# Altium PCB Copy of PCB1.PcbDoc (part 1 of 2) (continued)
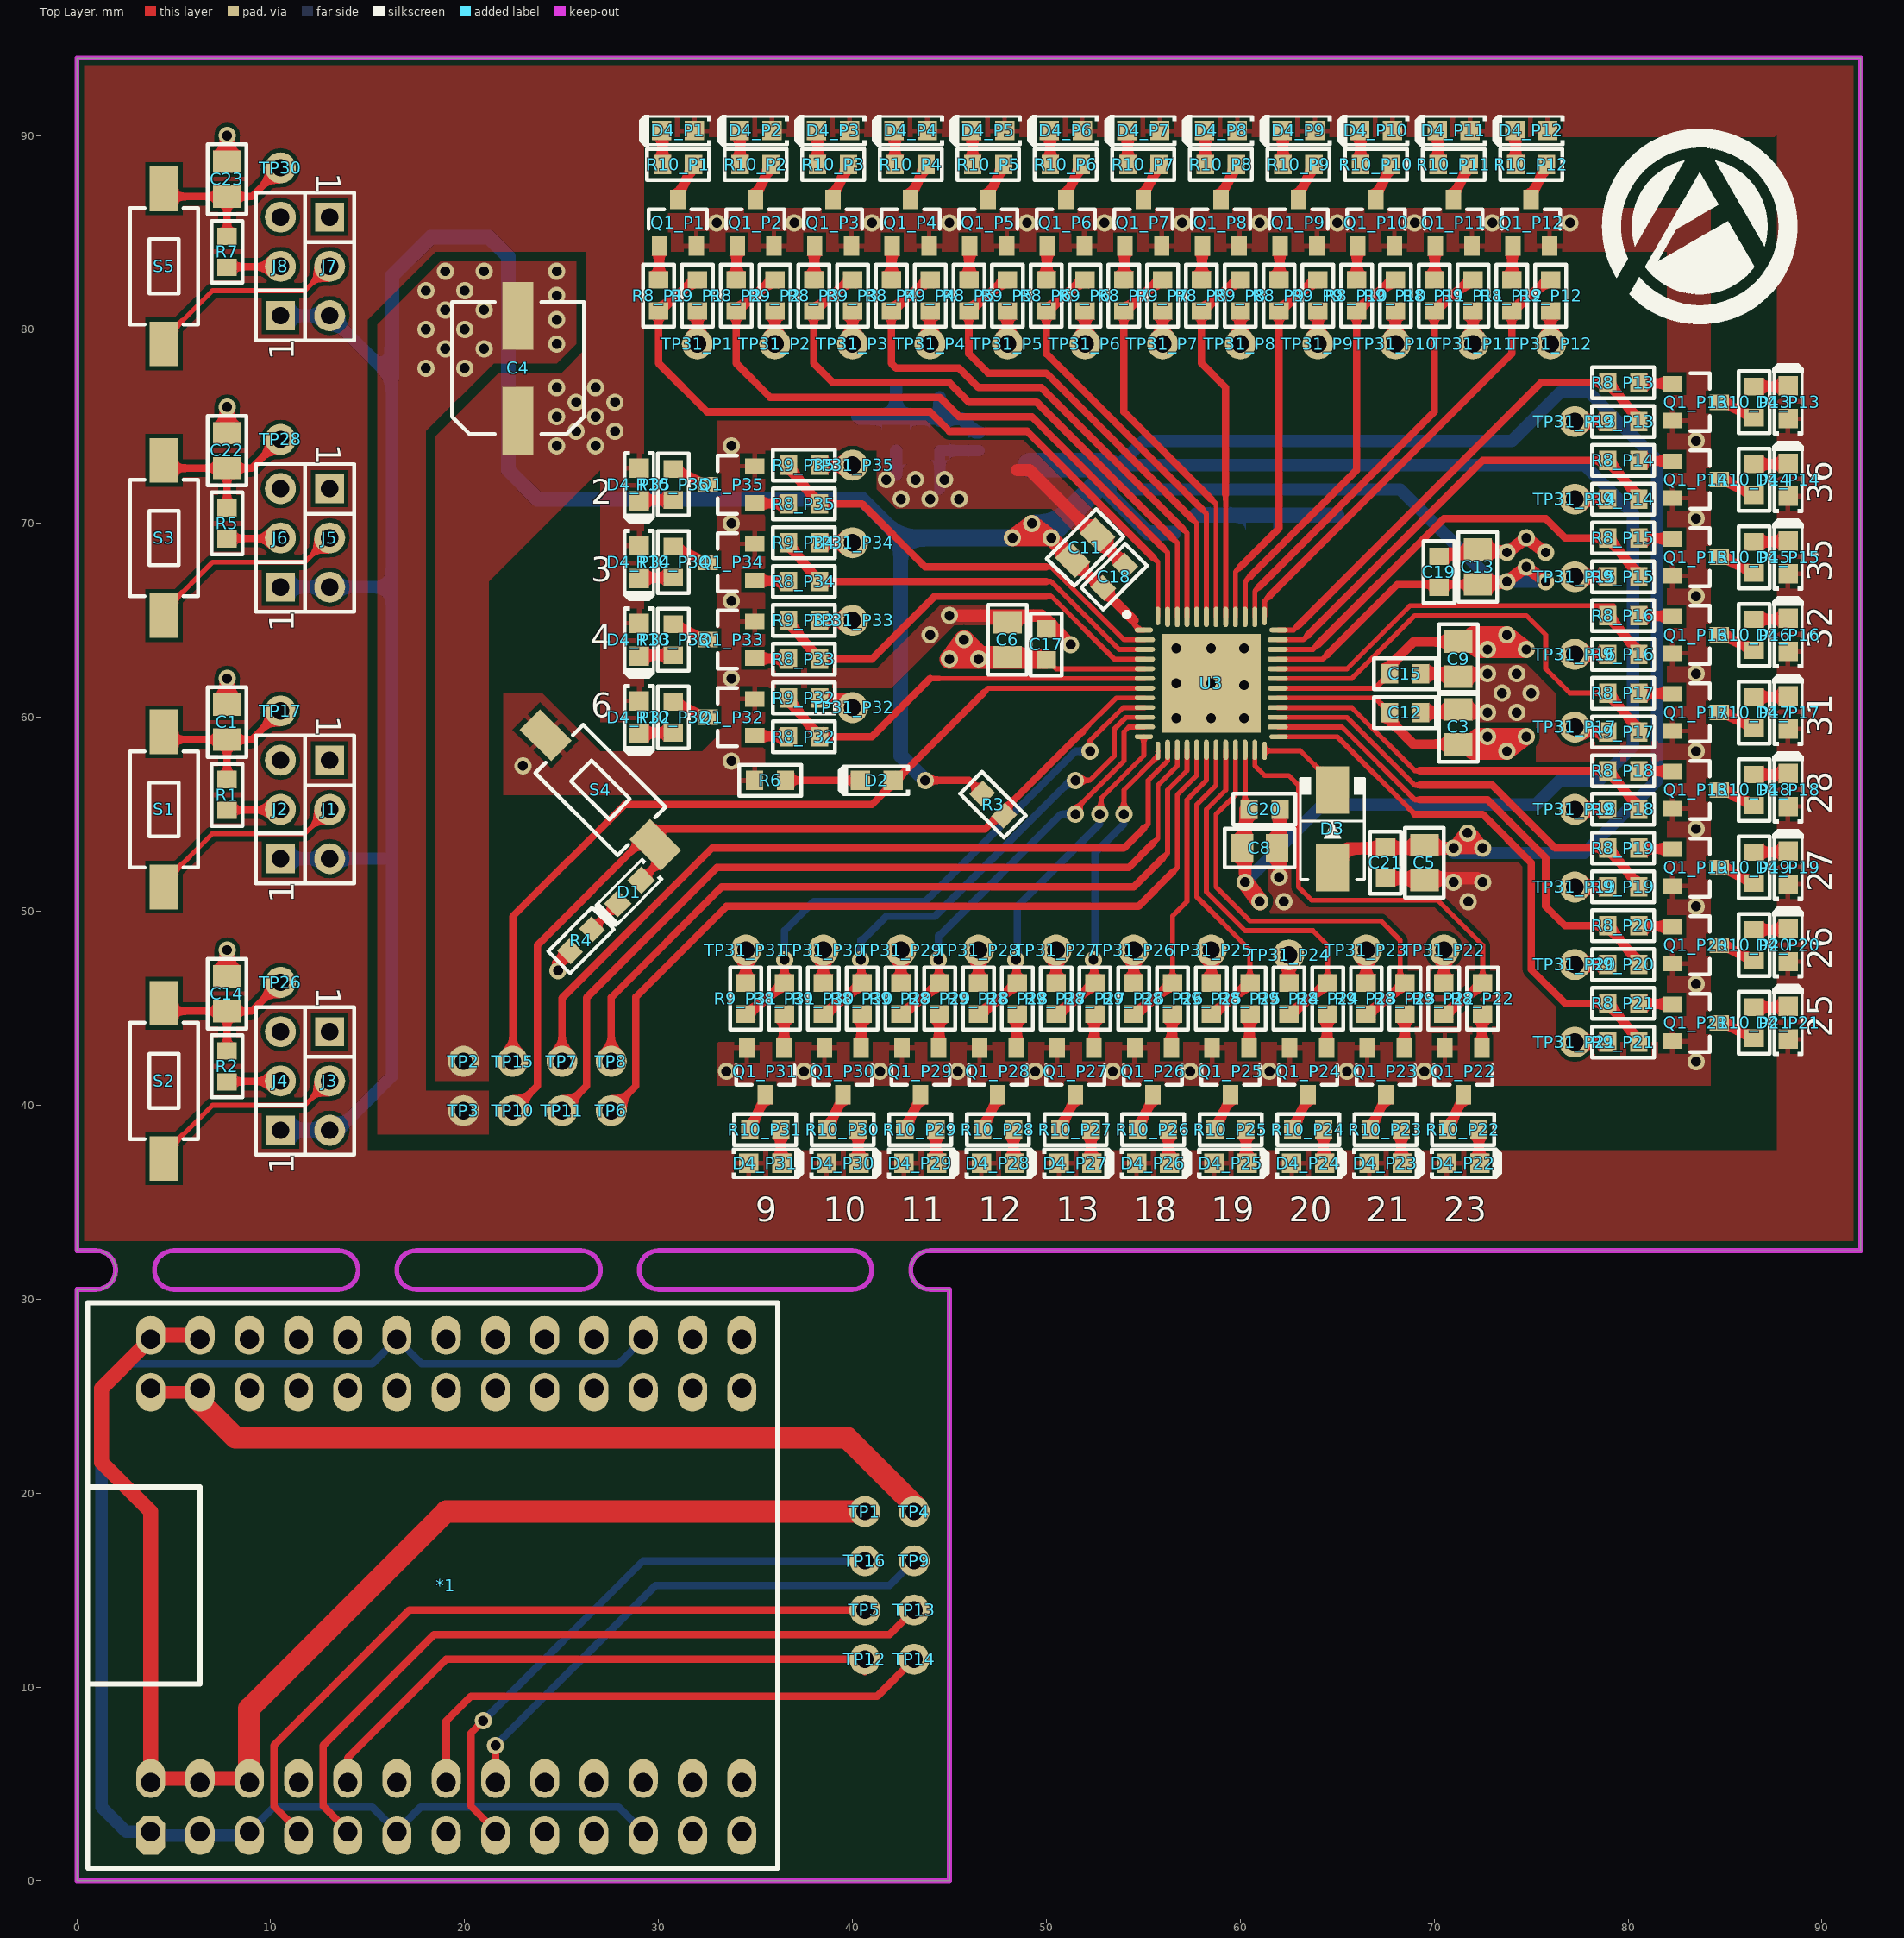
[diagram p0: Top Layer view]
## Components (designator, comment, footprint, x,y, rotation, side; value= is the part's Value field where it differs from the comment)
*1 "FTDI2232H" FTDI2232H 19.05,15.24 r90 top
C1 "1u" "CAP 0805_N" 7.75,59.75 r90 top
C2 "1u" "CAP 0805_N" 51,73.75 r90 bottom
C3 "1u" "CAP 0805_N" 71.25,59.5 r90 top
C4 "100u" "SMD CAP-6.3X7.7MM-A1K2" 22.75,78 r90 top
C5 "1u" "CAP 0805_N" 69.5,52.5 r270 top
C6 "1u" "CAP 0805_N" 48,64 r90 top
C7 "1u" "CAP 0805_N" 42.25,74.5 r270 bottom
C8 "1u" "CAP 0805_N" 61,53.25 r0 top
C9 "1u" "CAP 0805_N" 71.25,63 r270 top
C10 "100n" "CAP 0603_N" 44.5,74.5 r270 bottom
C11 "1u" "CAP 0805_N" 52,68.75 r45 top
C12 "100n" "CAP 0603_N" 68.5,60.25 r0 top
C13 "1u" "CAP 0805_N" 72.25,67.75 r90 top
C14 "1u" "CAP 0805_N" 7.75,45.75 r90 top
C15 "100n" "CAP 0603_N" 68.5,62.25 r0 top
C16 "100n" "CAP 0603_N" 53.25,73.75 r90 bottom
C17 "100n" "CAP 0603_N" 50,63.75 r90 top
C18 "100n" "CAP 0603_N" 53.5,67.25 r45 top
C19 "100n" "CAP 0603_N" 70.25,67.5 r90 top
C20 "100n" "CAP 0603_N" 61.25,55.25 r0 top
C21 "100n" "CAP 0603_N" 67.5,52.5 r270 top
C22 "1u" "CAP 0805_N" 7.75,73.75 r90 top
C23 "1u" "CAP 0805_N" 7.75,87.75 r90 top
C24 "1u" "CAP 0805_N" 61,69.25 r90 bottom
C25 "100n" "CAP 0603_N" 63.25,69 r90 bottom
D1 "=Value" LED-0603-K1A2 28.5,51 r45 top
D2 "=Value" LED-0603-K1A2 41.25,56.75 r0 top
D3 "*" SMA_L-K1A2 64.75,54.25 r270 top
D4_P1 "" LED-0603-K1A2 31,90.25 r0 top (schematic designator D4)
D4_P2 "" LED-0603-K1A2 35,90.25 r0 top (schematic designator D4)
D4_P3 "" LED-0603-K1A2 39,90.25 r0 top (schematic designator D4)
D4_P4 "" LED-0603-K1A2 43,90.25 r0 top (schematic designator D4)
D4_P5 "" LED-0603-K1A2 47,90.25 r0 top (schematic designator D4)
D4_P6 "" LED-0603-K1A2 51,90.25 r0 top (schematic designator D4)
D4_P7 "" LED-0603-K1A2 55,90.25 r0 top (schematic designator D4)
D4_P8 "" LED-0603-K1A2 59,90.25 r0 top (schematic designator D4)
D4_P9 "" LED-0603-K1A2 63,90.25 r0 top (schematic designator D4)
D4_P10 "" LED-0603-K1A2 67,90.25 r0 top (schematic designator D4)
D4_P11 "" LED-0603-K1A2 71,90.25 r0 top (schematic designator D4)
D4_P12 "" LED-0603-K1A2 75,90.25 r0 top (schematic designator D4)
D4_P13 "" LED-0603-K1A2 88.25,76.25 r270 top (schematic designator D4)
D4_P14 "" LED-0603-K1A2 88.25,72.25 r270 top (schematic designator D4)
D4_P15 "" LED-0603-K1A2 88.25,68.25 r270 top (schematic designator D4)
D4_P16 "" LED-0603-K1A2 88.25,64.25 r270 top (schematic designator D4)
D4_P17 "" LED-0603-K1A2 88.25,60.25 r270 top (schematic designator D4)
D4_P18 "" LED-0603-K1A2 88.25,56.25 r270 top (schematic designator D4)
D4_P19 "" LED-0603-K1A2 88.25,52.25 r270 top (schematic designator D4)
D4_P20 "" LED-0603-K1A2 88.25,48.25 r270 top (schematic designator D4)
D4_P21 "" LED-0603-K1A2 88.25,44.25 r270 top (schematic designator D4)
D4_P22 "" LED-0603-K1A2 71.5,37 r180 top (schematic designator D4)
D4_P23 "" LED-0603-K1A2 67.5,37 r180 top (schematic designator D4)
D4_P24 "" LED-0603-K1A2 63.5,37 r180 top (schematic designator D4)
D4_P25 "" LED-0603-K1A2 59.5,37 r180 top (schematic designator D4)
D4_P26 "" LED-0603-K1A2 55.5,37 r180 top (schematic designator D4)
D4_P27 "" LED-0603-K1A2 51.5,37 r180 top (schematic designator D4)
D4_P28 "" LED-0603-K1A2 47.5,37 r180 top (schematic designator D4)
D4_P29 "" LED-0603-K1A2 43.5,37 r180 top (schematic designator D4)
D4_P30 "" LED-0603-K1A2 39.5,37 r180 top (schematic designator D4)
D4_P31 "" LED-0603-K1A2 35.5,37 r180 top (schematic designator D4)
D4_P32 "" LED-0603-K1A2 29,60 r90 top (schematic designator D4)
D4_P33 "" LED-0603-K1A2 29,64 r90 top (schematic designator D4)
D4_P34 "" LED-0603-K1A2 29,68 r90 top (schematic designator D4)
D4_P35 "" LED-0603-K1A2 29,72 r90 top (schematic designator D4)
J1 "=Value" "HDR1X3 VERT" 13.04,57.79 r270 top
J2 "=Value" "HDR1X3 VERT" 10.5,52.71 r90 top
J3 "=Value" "HDR1X3 VERT" 13.04,43.79 r270 top
J4 "=Value" "HDR1X3 VERT" 10.5,38.71 r90 top
J5 "=Value" "HDR1X3 VERT" 13.04,71.79 r270 top
J6 "=Value" "HDR1X3 VERT" 10.5,66.71 r90 top
J7 "=Value" "HDR1X3 VERT" 13.04,85.79 r270 top
J8 "=Value" "HDR1X3 VERT" 10.5,80.71 r90 top
Q1_P1 "2N3904" SOT95P245X110-3N 31,85.5 r90 top (schematic designator Q1)
Q1_P2 "2N3904" SOT95P245X110-3N 35,85.5 r90 top (schematic designator Q1)
Q1_P3 "2N3904" SOT95P245X110-3N 39,85.5 r90 top (schematic designator Q1)
Q1_P4 "2N3904" SOT95P245X110-3N 43,85.5 r90 top (schematic designator Q1)
Q1_P5 "2N3904" SOT95P245X110-3N 47,85.5 r90 top (schematic designator Q1)
Q1_P6 "2N3904" SOT95P245X110-3N 51,85.5 r90 top (schematic designator Q1)
Q1_P7 "2N3904" SOT95P245X110-3N 55,85.5 r90 top (schematic designator Q1)
Q1_P8 "2N3904" SOT95P245X110-3N 59,85.5 r90 top (schematic designator Q1)
Q1_P9 "2N3904" SOT95P245X110-3N 63,85.5 r90 top (schematic designator Q1)
Q1_P10 "2N3904" SOT95P245X110-3N 67,85.5 r90 top (schematic designator Q1)
Q1_P11 "2N3904" SOT95P245X110-3N 71,85.5 r90 top (schematic designator Q1)
Q1_P12 "2N3904" SOT95P245X110-3N 75,85.5 r90 top (schematic designator Q1)
Q1_P13 "2N3904" SOT95P245X110-3N 83.5,76.25 r0 top (schematic designator Q1)
Q1_P14 "2N3904" SOT95P245X110-3N 83.5,72.25 r0 top (schematic designator Q1)
Q1_P15 "2N3904" SOT95P245X110-3N 83.5,68.25 r0 top (schematic designator Q1)
Q1_P16 "2N3904" SOT95P245X110-3N 83.5,64.25 r0 top (schematic designator Q1)
Q1_P17 "2N3904" SOT95P245X110-3N 83.5,60.25 r0 top (schematic designator Q1)
Q1_P18 "2N3904" SOT95P245X110-3N 83.5,56.25 r0 top (schematic designator Q1)
Q1_P19 "2N3904" SOT95P245X110-3N 83.5,52.25 r0 top (schematic designator Q1)
Q1_P20 "2N3904" SOT95P245X110-3N 83.5,48.25 r0 top (schematic designator Q1)
Q1_P21 "2N3904" SOT95P245X110-3N 83.5,44.25 r0 top (schematic designator Q1)
Q1_P22 "2N3904" SOT95P245X110-3N 71.5,41.75 r270 top (schematic designator Q1)
Q1_P23 "2N3904" SOT95P245X110-3N 67.5,41.75 r270 top (schematic designator Q1)
Q1_P24 "2N3904" SOT95P245X110-3N 63.5,41.75 r270 top (schematic designator Q1)
Q1_P25 "2N3904" SOT95P245X110-3N 59.5,41.75 r270 top (schematic designator Q1)
Q1_P26 "2N3904" SOT95P245X110-3N 55.5,41.75 r270 top (schematic designator Q1)
Q1_P27 "2N3904" SOT95P245X110-3N 51.5,41.75 r270 top (schematic designator Q1)
Q1_P28 "2N3904" SOT95P245X110-3N 47.5,41.75 r270 top (schematic designator Q1)
Q1_P29 "2N3904" SOT95P245X110-3N 43.5,41.75 r270 top (schematic designator Q1)
Q1_P30 "2N3904" SOT95P245X110-3N 39.5,41.75 r270 top (schematic designator Q1)
Q1_P31 "2N3904" SOT95P245X110-3N 35.5,41.75 r270 top (schematic designator Q1)
Q1_P32 "2N3904" SOT95P245X110-3N 33.75,60 r180 top (schematic designator Q1)
Q1_P33 "2N3904" SOT95P245X110-3N 33.75,64 r180 top (schematic designator Q1)
Q1_P34 "2N3904" SOT95P245X110-3N 33.75,68 r180 top (schematic designator Q1)
Q1_P35 "2N3904" SOT95P245X110-3N 33.75,72 r180 top (schematic designator Q1)
R1 "Res" "RES 0603_N" 7.75,56 r270 top value=10k
R2 "Res" "RES 0603_N" 7.75,42 r270 top value=10k
R3 "Res" "RES 0603_N" 47.25,55.5 r135 top value=10k
R4 "Res" "RES 0603_N" 26,48.5 r45 top value=1k
R5 "Res" "RES 0603_N" 7.75,70 r270 top value=10k
R6 "Res" "RES 0603_N" 35.75,56.75 r0 top value=1k
R7 "Res" "RES 0603_N" 7.75,84 r270 top value=10k
R8_P1 "Res" "RES 0603_N" 30,81.75 r90 top value=10k (schematic designator R8)
R8_P2 "Res" "RES 0603_N" 34,81.75 r90 top value=10k (schematic designator R8)
R8_P3 "Res" "RES 0603_N" 38,81.75 r90 top value=10k (schematic designator R8)
R8_P4 "Res" "RES 0603_N" 42,81.75 r90 top value=10k (schematic designator R8)
R8_P5 "Res" "RES 0603_N" 46,81.75 r90 top value=10k (schematic designator R8)
R8_P6 "Res" "RES 0603_N" 50,81.75 r90 top value=10k (schematic designator R8)
R8_P7 "Res" "RES 0603_N" 54,81.75 r90 top value=10k (schematic designator R8)
R8_P8 "Res" "RES 0603_N" 58,81.75 r90 top value=10k (schematic designator R8)
R8_P9 "Res" "RES 0603_N" 62,81.75 r90 top value=10k (schematic designator R8)
R8_P10 "Res" "RES 0603_N" 66,81.75 r90 top value=10k (schematic designator R8)
R8_P11 "Res" "RES 0603_N" 70,81.75 r90 top value=10k (schematic designator R8)
R8_P12 "Res" "RES 0603_N" 74,81.75 r90 top value=10k (schematic designator R8)
R8_P13 "Res" "RES 0603_N" 79.75,77.25 r0 top value=10k (schematic designator R8)
R8_P14 "Res" "RES 0603_N" 79.75,73.25 r0 top value=10k (schematic designator R8)
R8_P15 "Res" "RES 0603_N" 79.75,69.25 r0 top value=10k (schematic designator R8)
R8_P16 "Res" "RES 0603_N" 79.75,65.25 r0 top value=10k (schematic designator R8)
R8_P17 "Res" "RES 0603_N" 79.75,61.25 r0 top value=10k (schematic designator R8)
R8_P18 "Res" "RES 0603_N" 79.75,57.25 r0 top value=10k (schematic designator R8)
R8_P19 "Res" "RES 0603_N" 79.75,53.25 r0 top value=10k (schematic designator R8)
R8_P20 "Res" "RES 0603_N" 79.75,49.25 r0 top value=10k (schematic designator R8)
R8_P21 "Res" "RES 0603_N" 79.75,45.25 r0 top value=10k (schematic designator R8)
R8_P22 "Res" "RES 0603_N" 72.5,45.5 r270 top value=10k (schematic designator R8)
R8_P23 "Res" "RES 0603_N" 68.5,45.5 r270 top value=10k (schematic designator R8)
R8_P24 "Res" "RES 0603_N" 64.5,45.5 r270 top value=10k (schematic designator R8)
R8_P25 "Res" "RES 0603_N" 60.5,45.5 r270 top value=10k (schematic designator R8)
R8_P26 "Res" "RES 0603_N" 56.5,45.5 r270 top value=10k (schematic designator R8)
R8_P27 "Res" "RES 0603_N" 52.5,45.5 r270 top value=10k (schematic designator R8)
R8_P28 "Res" "RES 0603_N" 48.5,45.5 r270 top value=10k (schematic designator R8)
R8_P29 "Res" "RES 0603_N" 44.5,45.5 r270 top value=10k (schematic designator R8)
R8_P30 "Res" "RES 0603_N" 40.5,45.5 r270 top value=10k (schematic designator R8)
R8_P31 "Res" "RES 0603_N" 36.5,45.5 r270 top value=10k (schematic designator R8)
R8_P32 "Res" "RES 0603_N" 37.5,59 r180 top value=10k (schematic designator R8)
R8_P33 "Res" "RES 0603_N" 37.5,63 r180 top value=10k (schematic designator R8)
R8_P34 "Res" "RES 0603_N" 37.5,67 r180 top value=10k (schematic designator R8)
R8_P35 "Res" "RES 0603_N" 37.5,71 r180 top value=10k (schematic designator R8)
R9_P1 "Res" "RES 0603_N" 32,81.75 r270 top value=1k (schematic designator R9)
R9_P2 "Res" "RES 0603_N" 36,81.75 r270 top value=1k (schematic designator R9)
R9_P3 "Res" "RES 0603_N" 40,81.75 r270 top value=1k (schematic designator R9)
R9_P4 "Res" "RES 0603_N" 44,81.75 r270 top value=1k (schematic designator R9)
R9_P5 "Res" "RES 0603_N" 48,81.75 r270 top value=1k (schematic designator R9)
R9_P6 "Res" "RES 0603_N" 52,81.75 r270 top value=1k (schematic designator R9)
R9_P7 "Res" "RES 0603_N" 56,81.75 r270 top value=1k (schematic designator R9)
R9_P8 "Res" "RES 0603_N" 60,81.75 r270 top value=1k (schematic designator R9)
R9_P9 "Res" "RES 0603_N" 64,81.75 r270 top value=1k (schematic designator R9)
R9_P10 "Res" "RES 0603_N" 68,81.75 r270 top value=1k (schematic designator R9)
R9_P11 "Res" "RES 0603_N" 72,81.75 r270 top value=1k (schematic designator R9)
R9_P12 "Res" "RES 0603_N" 76,81.75 r270 top value=1k (schematic designator R9)
R9_P13 "Res" "RES 0603_N" 79.75,75.25 r180 top value=1k (schematic designator R9)
R9_P14 "Res" "RES 0603_N" 79.75,71.25 r180 top value=1k (schematic designator R9)
R9_P15 "Res" "RES 0603_N" 79.75,67.25 r180 top value=1k (schematic designator R9)
R9_P16 "Res" "RES 0603_N" 79.75,63.25 r180 top value=1k (schematic designator R9)
R9_P17 "Res" "RES 0603_N" 79.75,59.25 r180 top value=1k (schematic designator R9)
R9_P18 "Res" "RES 0603_N" 79.75,55.25 r180 top value=1k (schematic designator R9)
R9_P19 "Res" "RES 0603_N" 79.75,51.25 r180 top value=1k (schematic designator R9)
R9_P20 "Res" "RES 0603_N" 79.75,47.25 r180 top value=1k (schematic designator R9)
R9_P21 "Res" "RES 0603_N" 79.75,43.25 r180 top value=1k (schematic designator R9)
R9_P22 "Res" "RES 0603_N" 70.5,45.5 r90 top value=1k (schematic designator R9)
R9_P23 "Res" "RES 0603_N" 66.5,45.5 r90 top value=1k (schematic designator R9)
R9_P24 "Res" "RES 0603_N" 62.5,45.5 r90 top value=1k (schematic designator R9)
R9_P25 "Res" "RES 0603_N" 58.5,45.5 r90 top value=1k (schematic designator R9)
R9_P26 "Res" "RES 0603_N" 54.5,45.5 r90 top value=1k (schematic designator R9)
R9_P27 "Res" "RES 0603_N" 50.5,45.5 r90 top value=1k (schematic designator R9)
R9_P28 "Res" "RES 0603_N" 46.5,45.5 r90 top value=1k (schematic designator R9)
R9_P29 "Res" "RES 0603_N" 42.5,45.5 r90 top value=1k (schematic designator R9)
R9_P30 "Res" "RES 0603_N" 38.5,45.5 r90 top value=1k (schematic designator R9)
R9_P31 "Res" "RES 0603_N" 34.5,45.5 r90 top value=1k (schematic designator R9)
R9_P32 "Res" "RES 0603_N" 37.5,61 r0 top value=1k (schematic designator R9)
R9_P33 "Res" "RES 0603_N" 37.5,65 r0 top value=1k (schematic designator R9)
R9_P34 "Res" "RES 0603_N" 37.5,69 r0 top value=1k (schematic designator R9)
R9_P35 "Res" "RES 0603_N" 37.5,73 r0 top value=1k (schematic designator R9)
R10_P1 "Res" "RES 0603_N" 31,88.5 r180 top value=1k (schematic designator R10)
R10_P2 "Res" "RES 0603_N" 35,88.5 r180 top value=1k (schematic designator R10)
R10_P3 "Res" "RES 0603_N" 39,88.5 r180 top value=1k (schematic designator R10)
R10_P4 "Res" "RES 0603_N" 43,88.5 r180 top value=1k (schematic designator R10)
R10_P5 "Res" "RES 0603_N" 47,88.5 r180 top value=1k (schematic designator R10)
R10_P6 "Res" "RES 0603_N" 51,88.5 r180 top value=1k (schematic designator R10)
R10_P7 "Res" "RES 0603_N" 55,88.5 r180 top value=1k (schematic designator R10)
R10_P8 "Res" "RES 0603_N" 59,88.5 r180 top value=1k (schematic designator R10)
R10_P9 "Res" "RES 0603_N" 63,88.5 r180 top value=1k (schematic designator R10)
R10_P10 "Res" "RES 0603_N" 67,88.5 r180 top value=1k (schematic designator R10)
R10_P11 "Res" "RES 0603_N" 71,88.5 r180 top value=1k (schematic designator R10)
R10_P12 "Res" "RES 0603_N" 75,88.5 r180 top value=1k (schematic designator R10)
R10_P13 "Res" "RES 0603_N" 86.5,76.25 r90 top value=1k (schematic designator R10)
R10_P14 "Res" "RES 0603_N" 86.5,72.25 r90 top value=1k (schematic designator R10)
R10_P15 "Res" "RES 0603_N" 86.5,68.25 r90 top value=1k (schematic designator R10)
R10_P16 "Res" "RES 0603_N" 86.5,64.25 r90 top value=1k (schematic designator R10)
R10_P17 "Res" "RES 0603_N" 86.5,60.25 r90 top value=1k (schematic designator R10)
R10_P18 "Res" "RES 0603_N" 86.5,56.25 r90 top value=1k (schematic designator R10)
R10_P19 "Res" "RES 0603_N" 86.5,52.25 r90 top value=1k (schematic designator R10)
R10_P20 "Res" "RES 0603_N" 86.5,48.25 r90 top value=1k (schematic designator R10)
R10_P21 "Res" "RES 0603_N" 86.5,44.25 r90 top value=1k (schematic designator R10)
R10_P22 "Res" "RES 0603_N" 71.5,38.75 r0 top value=1k (schematic designator R10)
R10_P23 "Res" "RES 0603_N" 67.5,38.75 r0 top value=1k (schematic designator R10)
R10_P24 "Res" "RES 0603_N" 63.5,38.75 r0 top value=1k (schematic designator R10)
R10_P25 "Res" "RES 0603_N" 59.5,38.75 r0 top value=1k (schematic designator R10)
R10_P26 "Res" "RES 0603_N" 55.5,38.75 r0 top value=1k (schematic designator R10)
R10_P27 "Res" "RES 0603_N" 51.5,38.75 r0 top value=1k (schematic designator R10)
R10_P28 "Res" "RES 0603_N" 47.5,38.75 r0 top value=1k (schematic designator R10)
R10_P29 "Res" "RES 0603_N" 43.5,38.75 r0 top value=1k (schematic designator R10)
R10_P30 "Res" "RES 0603_N" 39.5,38.75 r0 top value=1k (schematic designator R10)
R10_P31 "Res" "RES 0603_N" 35.5,38.75 r0 top value=1k (schematic designator R10)
R10_P32 "Res" "RES 0603_N" 30.75,60 r270 top value=1k (schematic designator R10)
R10_P33 "Res" "RES 0603_N" 30.75,64 r270 top value=1k (schematic designator R10)
R10_P34 "Res" "RES 0603_N" 30.75,68 r270 top value=1k (schematic designator R10)
R10_P35 "Res" "RES 0603_N" 30.75,72 r270 top value=1k (schematic designator R10)
S1 "SW Tactile" SW-TACT-SMD-6035 4.5,55.25 r90 top value=PTS635SH43SMTRLFS
S2 "SW Tactile" SW-TACT-SMD-6035 4.5,41.25 r90 top value=PTS635SH43SMTRLFS
S3 "SW Tactile" SW-TACT-SMD-6035 4.5,69.25 r90 top value=PTS635SH43SMTRLFS
S4 "SW Tactile" SW-TACT-SMD-6035 27,56.25 r315 top value=PTS635SH43SMTRLFS
S5 "SW Tactile" SW-TACT-SMD-6035 4.5,83.25 r90 top value=PTS635SH43SMTRLFS
TP1 "=Value" THTP 40.64,19.05 r0 top
TP2 "=Value" THTP 19.94,42.26 r90 top
TP3 "=Value" THTP 19.94,39.72 r90 top
TP4 "=Value" THTP 43.18,19.05 r90 top
TP5 "=Value" THTP 40.64,13.97 r90 top
TP6 "=Value" THTP 27.56,39.72 r90 top
TP7 "=Value" THTP 25.02,42.26 r90 top
TP8 "=Value" THTP 27.56,42.26 r90 top
TP9 "=Value" THTP 43.18,16.51 r90 top
TP10 "=Value" THTP 22.48,39.72 r90 top
TP11 "=Value" THTP 25.02,39.72 r90 top
TP12 "=Value" THTP 40.64,11.43 r90 top
TP13 "=Value" THTP 43.18,13.97 r90 top
TP14 "=Value" THTP 43.18,11.43 r90 top
TP15 "=Value" THTP 22.48,42.26 r90 top
TP16 "=Value" THTP 40.64,16.51 r90 top
TP17 "=Value" THTP 10.5,60.33 r90 top
TP26 "=Value" THTP 10.5,46.33 r90 top
TP28 "=Value" THTP 10.5,74.33 r90 top
TP30 "=Value" THTP 10.5,88.33 r0 top
TP31_P1 "" THTP 32,79.25 r90 top (schematic designator TP31)
TP31_P2 "" THTP 36,79.25 r90 top (schematic designator TP31)
TP31_P3 "" THTP 40,79.25 r90 top (schematic designator TP31)
TP31_P4 "" THTP 44,79.25 r90 top (schematic designator TP31)
TP31_P5 "" THTP 48,79.25 r90 top (schematic designator TP31)
TP31_P6 "" THTP 52,79.25 r90 top (schematic designator TP31)
TP31_P7 "" THTP 56,79.25 r90 top (schematic designator TP31)
TP31_P8 "" THTP 60,79.25 r90 top (schematic designator TP31)
TP31_P9 "" THTP 64,79.25 r90 top (schematic designator TP31)
TP31_P10 "" THTP 68,79.25 r90 top (schematic designator TP31)
TP31_P11 "" THTP 72,79.25 r90 top (schematic designator TP31)
TP31_P12 "" THTP 76,79.25 r90 top (schematic designator TP31)
TP31_P13 "" THTP 77.25,75.25 r0 top (schematic designator TP31)
TP31_P14 "" THTP 77.25,71.25 r0 top (schematic designator TP31)
TP31_P15 "" THTP 77.25,67.25 r0 top (schematic designator TP31)
TP31_P16 "" THTP 77.25,63.25 r0 top (schematic designator TP31)
TP31_P17 "" THTP 77.25,59.5 r0 top (schematic designator TP31)
TP31_P18 "" THTP 77.25,55.25 r0 top (schematic designator TP31)
TP31_P19 "" THTP 77.25,51.25 r0 top (schematic designator TP31)
TP31_P20 "" THTP 77.25,47.25 r0 top (schematic designator TP31)
TP31_P21 "" THTP 77.25,43.25 r0 top (schematic designator TP31)
TP31_P22 "" THTP 70.5,48 r270 top (schematic designator TP31)
TP31_P23 "" THTP 66.5,48 r270 top (schematic designator TP31)
TP31_P24 "" THTP 62.5,47.75 r270 top (schematic designator TP31)
TP31_P25 "" THTP 58.5,48 r270 top (schematic designator TP31)
TP31_P26 "" THTP 54.5,48 r270 top (schematic designator TP31)
TP31_P27 "" THTP 50.5,48 r270 top (schematic designator TP31)
TP31_P28 "" THTP 46.5,48 r270 top (schematic designator TP31)
TP31_P29 "" THTP 42.5,48 r270 top (schematic designator TP31)
TP31_P30 "" THTP 38.5,48 r270 top (schematic designator TP31)
TP31_P31 "" THTP 34.5,48 r270 top (schematic designator TP31)
TP31_P32 "" THTP 40,60.5 r180 top (schematic designator TP31)
TP31_P33 "" THTP 40,65 r180 top (schematic designator TP31)
TP31_P34 "" THTP 40,69 r180 top (schematic designator TP31)
TP31_P35 "" THTP 40,73 r180 top (schematic designator TP31)
U1 "MIC5501" SOT23-5 47.75,73.75 r0 bottom
U2 "AP7333R" SOT95P245X110-3N 57.75,69.5 r180 bottom
U3 "IDE5LP1K-SG48ITR50" QFN50P700X700X85_HS-49M 58.5,61.75 r0 top

## Footprints (in the part's own frame and the unit in brackets; to place one, negate y for a bottom-side part, rotate by r counter-clockwise, add the part's x,y. Pads: shape width x height; smd on the part's side, far side on the other; paste and mask are expansions set on the pad)
"CAP 0603_N" [mm] "Chip Capacitor, Body 1.6x0.8mm, Height 0.55mm, IPC Medium Density"
  rect 0.9x1 smd: 1(-0.8,0) 2(0.8,0)
  silkscreen extent -1.6,-0.8 1.6,0.8, body extent -0.87,-0.48 0.88,0.47, height 0.55
"CAP 0805_N" [mm] "Chip Capacitor, Body 2.0x1.2mm, Height 0.75mm, IPC Medium Density"
  rect 1.15x1.45 smd: 1(-0.9,0) 2(0.9,0)
  silkscreen extent -1.8,-1 1.8,1, body extent -1.1,-0.72 1.1,0.73, height 0.75
FTDI2232H [mm]
  oct 2x1.5 hole 1 copper offset -0.2,0: 1(-12.7,15.24)
  oval 2x1.5 hole 1 copper offset 0.2,0: 2(-10.16,15.24) 4(-10.16,12.7)
  oval 2x1.5 hole 1 copper offset -0.2,0: 3(-12.7,12.7)
  rrect100% 2x1.5 hole 1 copper offset -0.2,0: 5(-12.7,10.16) 7(-12.7,7.62) 9(-12.7,5.08) 11(-12.7,2.54) 13(-12.7,0) 15(-12.7,-2.54) 17(-12.7,-5.08) 19(-12.7,-7.62) 21(-12.7,-10.16) 23(-12.7,-12.7) 25(-12.7,-15.24) 27(10.16,15.24) 29(10.16,12.7) 31(10.16,10.16) 33(10.16,7.62) 35(10.16,5.08) 37(10.16,2.54) 39(10.16,0) 41(10.16,-2.54) 43(10.16,-5.08) 45(10.16,-7.62) 47(10.16,-10.16) 49(10.16,-12.7) 51(10.16,-15.24)
  rrect100% 2x1.5 hole 1 copper offset 0.2,0: 6(-10.16,10.16) 8(-10.16,7.62) 10(-10.16,5.08) 12(-10.16,2.54) 14(-10.16,0) 16(-10.16,-2.54) 18(-10.16,-5.08) 20(-10.16,-7.62) 22(-10.16,-10.16) 24(-10.16,-12.7) 26(-10.16,-15.24) 28(12.7,15.24) 30(12.7,12.7) 32(12.7,10.16) 34(12.7,7.62) 36(12.7,5.08) 38(12.7,2.54) 40(12.7,0) 42(12.7,-2.54) 44(12.7,-5.08) 46(12.7,-7.62) 48(12.7,-10.16) 50(12.7,-12.7) 52(12.7,-15.24)
  silkscreen extent -14.58,-17.09 14.58,18.49
"HDR1X3 VERT" [mm] "Connector; Header; 3 Position; Vertical Mount"
  rect 1.5x1.5 hole 0.9: 1(0,0)
  round 1.6 hole 0.9: 2(2.54,0) 3(5.08,0)
  silkscreen extent -1.27,-1.27 6.35,1.27, body extent -1.27,-1.27 6.35,1.27, height 8.77
LED-0603-K1A2 [mm] "SMD LED, 2-Leads, Body 1.6x0.8mm"
  rect 1x1 smd: 1(-0.85,0) 2(0.85,0)
  silkscreen extent -2,-0.81 1.73,0.81, body extent -0.92,-0.53 1.09,0.53, height 0.8
QFN50P700X700X85_HS-49M [mm] "QFN, 48-Leads, Body 7.00x7.00mm, Pitch 0.50mm, Thermal Pad 5.10x5.10mm, IPC Low Density"
  oval 0.95x0.25 smd: 1(-3.475,2.75) 12(-3.475,-2.75) 25(3.475,-2.75) 36(3.475,2.75)
  oval 1.05x0.25 smd: 2(-3.425,2.25) 3(-3.425,1.75) 4(-3.425,1.25) 5(-3.425,0.75) 6(-3.425,0.25) 7(-3.425,-0.25) 8(-3.425,-0.75) 9(-3.425,-1.25) 10(-3.425,-1.75) 11(-3.425,-2.25) 26(3.425,-2.25) 27(3.425,-1.75) 28(3.425,-1.25) 29(3.425,-0.75) 30(3.425,-0.25) 31(3.425,0.25) 32(3.425,0.75) 33(3.425,1.25) 34(3.425,1.75) 35(3.425,2.25)
  oval 0.25x0.95 smd: 13(-2.75,-3.475) 24(2.75,-3.475) 37(2.75,3.475) 48(-2.75,3.475)
  oval 0.25x1.05 smd: 14(-2.25,-3.425) 15(-1.75,-3.425) 16(-1.25,-3.425) 17(-0.75,-3.425) 18(-0.25,-3.425) 19(0.25,-3.425) 20(0.75,-3.425) 21(1.25,-3.425) 22(1.75,-3.425) 23(2.25,-3.425) 38(2.25,3.425) 39(1.75,3.425) 40(1.25,3.425) 41(0.75,3.425) 42(0.25,3.425) 43(-0.25,3.425) 44(-0.75,3.425) 45(-1.25,3.425) 46(-1.75,3.425) 47(-2.25,3.425)
  rect 5.1x5.1 smd: 49(0,0)
  silkscreen extent -4.47,3.43 -4.22,3.67, body extent -3.55,-3.55 3.55,3.55, height 0.85
"RES 0603_N" [mm] "Chip Resistor, Body 1.6x0.8mm, IPC Medium Density"
  rect 0.9x1 smd: 1(-0.8,0) 2(0.8,0)
  silkscreen extent -1.6,-0.8 1.6,0.8, body extent -0.8,-0.4 0.8,0.4, height 0.46
SMA_L-K1A2 [mm] "Molded Diode, 2-Leads, Body 4.30x2.60mm, IPC High Density"
  rect 2.45x1.7 smd: 1(-2,0) 2(2,0)
  silkscreen extent -2.67,-1.66 2.6,1.66, body extent -2.3,-1.46 2.3,1.46, height 2.5
"SMD CAP-6.3X7.7MM-A1K2" [mm] "Aluminum Electrolytic Capacitor, Diameter 6.3mm, Body 6.6x6.6mm, Height 8mm, Pitch 5.4mm"
  rect 3.5x1.6 smd: 1(-2.7,0) 2(2.7,0)
  silkscreen extent -3.4,-3.4 3.4,3.4, body extent -3.8,-3.3 3.8,3.3, height 8
SOT23-5 [mm] "SOT23, 5-Leads, Body 2.90x2.80mm, Pitch 0.95mm, IPC Medium Density"
  rect 1.1x0.6 smd: 1(-1.2,0.95) 2(-1.2,0) 3(-1.2,-0.95) 4(1.2,-0.95) 5(1.2,0.95)
  silkscreen extent -0.25,-1.55 0.25,1.55, body extent -1.4,-1.45 1.4,1.45, height 1.45
SOT95P245X110-3N [mm] "SOT23, 3-Leads, Body 2.90x2.45mm, Pitch 0.95mm, IPC Medium Density"
  rect 1x0.8 smd: 1(-1.2,0.95) 2(-1.2,-0.95) 3(1.2,0)
  silkscreen extent -0.3,-1.5 0.7,1.5, body extent -1.3,-1.5 1.3,1.5, height 1.1
SW-TACT-SMD-6035 [mm] "Switch, SMD, 4 Leads, Body 6.0x3.5mm, Row Spacing 9.0mm"
  rect 2.3x1.5 smd: 1(-4,0) 2(4,0)
  silkscreen extent -3,-1.75 3,1.75, body extent -4,-1.75 4,1.75, height 4.3
THTP [mm]
  round 1.6 hole 0.9: 1(0,0)
  body extent -0.8,-0.8 0.8,0.8, height 0.1

## Part data
C1 C2 C3 C5 C6 C7 C8 C9 C10 C11 C12 C13 C14 C15 C16 C17 C18 C19 C20 C21 C22 C23 C24 C25: library part "-Cap Non-Pol", "CAP, CER"
C4: library part "-Cap Aluminum", "CAP, ALUM, A1K2"
D1 D2 D4_P1 D4_P2 D4_P3 D4_P4 D4_P5 D4_P6 D4_P7 D4_P8 D4_P9 D4_P10 D4_P11 D4_P12 D4_P13 D4_P14 D4_P15 D4_P16 D4_P17 D4_P18 D4_P19 D4_P20 D4_P21 D4_P22 D4_P23 D4_P24 D4_P25 D4_P26 D4_P27 D4_P28 D4_P29 D4_P30 D4_P31 D4_P32 D4_P33 D4_P34 D4_P35: library part "-LED K1A2", "2 Pin LED K1A2"
D3: library part "-Diode K1A2", "2 Pin Diode K1A2"
J1 J2 J3 J4 J5 J6 J7 J8: library part "Header 1-3", "Header, 3 Pin, 1.27mm Pitch, Vertical"
Q1_P1 Q1_P2 Q1_P3 Q1_P4 Q1_P5 Q1_P6 Q1_P7 Q1_P8 Q1_P9 Q1_P10 Q1_P11 Q1_P12 Q1_P13 Q1_P14 Q1_P15 Q1_P16 Q1_P17 Q1_P18 Q1_P19 Q1_P20 Q1_P21 Q1_P22 Q1_P23 Q1_P24 Q1_P25 Q1_P26 Q1_P27 Q1_P28 Q1_P29 Q1_P30 Q1_P31 Q1_P32 Q1_P33 Q1_P34 Q1_P35: "NPN General Purpose Amplifier", ComponentLink1Description="Manufacturer Link", ComponentLink1URL=http://www.fairchildsemi.com/, ComponentLink2Description=Datasheet, ComponentLink2URL=http://www.fairchildsemi.com/ds/2N%2F2N3904.pdf, DatasheetVersion=1997, LatestRevisionDate=15-Jan-2003, LatestRevisionNote="PCB Footprint 'BCY-W3/D4.7' replaced", PackageDescription="TO, Flat Index; 3 In-Line, Axial Leads; Body Dia. 4.5mm; Leads 0.51 x 0.48 mm (max)", PackageReference=TO-92A, PackageVersion=Sep-1998, Published=8-Jun-2000, Publisher="Altium Limited"
R1 R2 R3 R4 R5 R6 R7 R8_P1 R8_P2 R8_P3 R8_P4 R8_P5 R8_P6 R8_P7 R8_P8 R8_P9 R8_P10 R8_P11 R8_P12 R8_P13 R8_P14 R8_P15 R8_P16 R8_P17 R8_P18 R8_P19 R8_P20 R8_P21 R8_P22 R8_P23 R8_P24 R8_P25 R8_P26 R8_P27 R8_P28 R8_P29 R8_P30 R8_P31 R8_P32 R8_P33 R8_P34 R8_P35 R9_P1 R9_P2 R9_P3 R9_P4 R9_P5 R9_P6 R9_P7 R9_P8 R9_P9 R9_P10 R9_P11 R9_P12 R9_P13 R9_P14 R9_P15 R9_P16 R9_P17 R9_P18 R9_P19 R9_P20 R9_P21 R9_P22 R9_P23 R9_P24 R9_P25 R9_P26 R9_P27 R9_P28 R9_P29 R9_P30 R9_P31 R9_P32 R9_P33 R9_P34 R9_P35 R10_P1 R10_P2 R10_P3 R10_P4 R10_P5 R10_P6 R10_P7 R10_P8 R10_P9 R10_P10 R10_P11 R10_P12 R10_P13 R10_P14 R10_P15 R10_P16 R10_P17 R10_P18 R10_P19 R10_P20 R10_P21 R10_P22 R10_P23 R10_P24 R10_P25 R10_P26 R10_P27 R10_P28 R10_P29 R10_P30 R10_P31 R10_P32 R10_P33 R10_P34 R10_P35: "Resistor", LatestRevisionDate=17-Jul-2002, LatestRevisionNote="Re-released for DXP Platform.", PackageDescription="Axial Device, Thru-Hole; 2 Leads; 0.3 in Pin Spacing", PackageReference=AXIAL-0.3, Published=8-Jun-2000, Publisher="Altium Limited"
S1 S2 S3 S4 S5: library part "SW-NO (PTS635SH43SMTRLFS)", "SPST, Normally Open, Push Button", Supplier Part Number 1=611-PTS635SH43SMTRLF, Supplier 1=Mouser
TP1 TP2 TP3 TP4 TP5 TP6 TP7 TP8 TP9 TP10 TP11 TP12 TP13 TP14 TP15 TP16 TP17 TP26 TP28 TP30 TP31_P1 TP31_P2 TP31_P3 TP31_P4 TP31_P5 TP31_P6 TP31_P7 TP31_P8 TP31_P9 TP31_P10 TP31_P11 TP31_P12 TP31_P13 TP31_P14 TP31_P15 TP31_P16 TP31_P17 TP31_P18 TP31_P19 TP31_P20 TP31_P21 TP31_P22 TP31_P23 TP31_P24 TP31_P25 TP31_P26 TP31_P27 TP31_P28 TP31_P29 TP31_P30 TP31_P31 TP31_P32 TP31_P33 TP31_P34 TP31_P35: library part THTP
U1: library part LP5907

## Via types
v1: diameter 0.889, hole 0.508, Top Layer to Bottom Layer, tented top, 124 vias
v2: diameter 1.2, hole 0.5, Top Layer to Bottom Layer, tented top, 9 vias

## Nets (pads, with @x,y where several pads share a name; then routed paths per layer and width w, separated by ;. In a path a pad name is that pad's centre, name@x,y a point inside that pad or via, vN(x,y) a via of type N, cw(c..) or ccw(c..) an arc to the next point about the centre after c; other vN are vias at no path point)
1V2: C3.1 C6.1 C9.1 C12.1 C15.1 C17.1 C24.1 C25.1 U2.2 U3.5 U3.29 U3.30 | length 47
  Top Layer w0.254: C17.1@50,62.95 50.05,62.95 50.5,62.5 U3.5@55.075,62.5 ; U3.29@61.925,61 66.95,61 67.327,60.623 67.377,60.623 67.7,60.3 C12.1@67.7,60.25 C12.1@67.7,59.85 ; U3.30@61.925,61.5 66.95,61.5 67.327,61.877 67.377,61.877 67.7,62.2 C15.1@67.7,62.25 C15.1@67.7,62.65
  Top Layer w0.508: C12.1@67.7,59.85 68.95,58.6 C3.1@71.25,58.6 ; C15.1@67.7,62.65 68.95,63.9 C9.1@71.25,63.9
  Top Layer w0.889: 72,58.25 v1(73.75,58.25) v1(74.75,59) v1(72.75,59) 72.25,59 72,58.75 ; 72,63.75 72.25,63.5 v1(72.75,63.5) v1(74.75,63.5) v1(73.75,64.25) 72,64.25
  Top Layer w1.016: C6.1@48,63.1 47.933,63.167 46.583,63.167 v1(45.75,64) v1(45,63) v1(46.5,63) C17.1@49.95,63
3V0: C2.1 C5.1 C8.1 C11.1 C13.1 C16.1 C18.1 C19.1 C20.1 C21.1 D3.2 J1.3 J2.1 J3.3 J4.1 J5.3 J6.1 J7.3 J8.1 R3.2 U1.5 U2.3 U3.1 U3.22 U3.33 | length 351.9
  Top Layer w0.254: 54.5,65 54.5,64.825 54.752,64.573 U3.1@54.825,64.5 ; U3.1@54.679,64.5 U3.1@54.825,64.5 ; U3.1@55.025,64.5 U3.1@54.825,64.5 ; C20.1@60.25,55.25 U3.22@60.25,58.325 ; U3.33@61.925,63 64.25,63 64.5,63.25
  Top Layer w0.381: v1(43.75,56.75) 46,56.75 R3.2@46.684,56.066 ; 64.5,63.25 68.1,66.85 C13.1@72.25,66.85
  Top Layer w0.508: C11.1@51.114,68.364 51.125,68.364 51.136,68.364 51.375,68.125 54.5,65
  Top Layer w0.635: v1(60.25,51.5) C20.1@60.25,55.25 ; D3.2@64.75,52.25 64.75,52.468 65.532,53.25 C5.1@69.25,53.25 ; C5.1@69.5,53.25 v1(71,53.25) ; C13.1@72.25,66.85 72.351,66.951 73.701,66.951 v1(73.75,67) v1(74.75,67.75) v1(75.75,67) ; v1(71,53.25) v1@71.42,53.81 ; v1(71,53.25) v1@72.431,53.25 ; v1@71.42,53.81 71.871,53.81 v1@72.431,53.25 ; v1@71.42,53.81 71.64,54.03 v1(71.721,54.03) 71.885,54.03 72.005,53.91 v1(72.5,53.25) v1@72.431,53.25
  Top Layer w0.762: C11.1@51.089,68.114 C11.1@51.364,68.114 51.364,68.125 51.125,68.364 v1@50.25,69.239 ; v1@50.25,69.239 50.245,69.243 50.235,69.25 v1(50.25,69.25) v1@50.25,69.239
  Top Layer w0.889: v1(60.25,51.5) v1(61,50.5) ; v1(48.25,69.25) 50.235,69.25 v1(49.25,70) v1(48.25,69.25)
  Bottom Layer w0.635: J2.1@10.5,52.71 J1.3@13.04,52.71 16.21,52.71 16.25,52.75 ; J6.1@10.5,66.71 J5.3@13.04,66.71 16.25,66.71 ; J8.1@10.5,80.71 J7.3@13.04,80.71 16.25,77.5 16.25,66.71 ; J3.3@13.5,38.75 16.25,41.5 16.25,52.75 ; 50.25,70 53.2,72.95 C16.1@53.25,72.95 ; C16.1@53.275,72.975 54.5,71.75 68.25,71.75 73,67 v1(73.75,67) v1(75.75,67) ; v1(61,50.5) v1(60.25,51.5) 64.25,55.5 75.25,55.5 76.5,56.75 78.5,56.75 80.25,58.5 80.25,70.5 77.75,73 53.75,73 55,74.25 74,74.25 76.5,76.75 78,76.75 81.5,73.25 81.5,56.75 77.75,53 v1@72.5,53 ; v1@72.407,53.041 71.503,53.443 71.467,53.459 71.375,53.5 ; 16.25,52.75 16.25,66.71 ; 71.375,53.5 71.12,53.16 71,53 v1@72.5,53 ; 71.375,53.5 71.75,54 72.38,53.16 v1@72.5,53
  Bottom Layer w0.762: J4.1@10.5,38.71 J3.3@13.04,38.71 ; 16.25,77.5 16.25,82.75 18.25,84.75 21.25,84.75 22.25,83.75 22.25,72.75 23.75,71.25 40.483,71.25 42.483,69.25 42.483,58.017 v1(43.75,56.75) ; v1(49.25,70) v1(50.25,69.25) 51,70 ; 50.25,70 51,70 ; C16.1@53.25,72.95 53.25,72.25 ; U2.3@56.55,69.5 55.25,69.5 53.25,71.5 53.25,72.25 ; 51,70 53.25,72.25
  Bottom Layer w0.889: 42.483,69.25 v1(48.25,69.25) ; v1(50.25,69.25) v1(48.25,69.25) ; 50.25,70 v1(49.25,70) v1(48.25,69.25)
  Bottom Layer w1.27: U1.5@49.15,73 53.2,73 C16.1@53.25,72.95